# Altium PCB STM32F4_PCB.PcbDoc (continued)
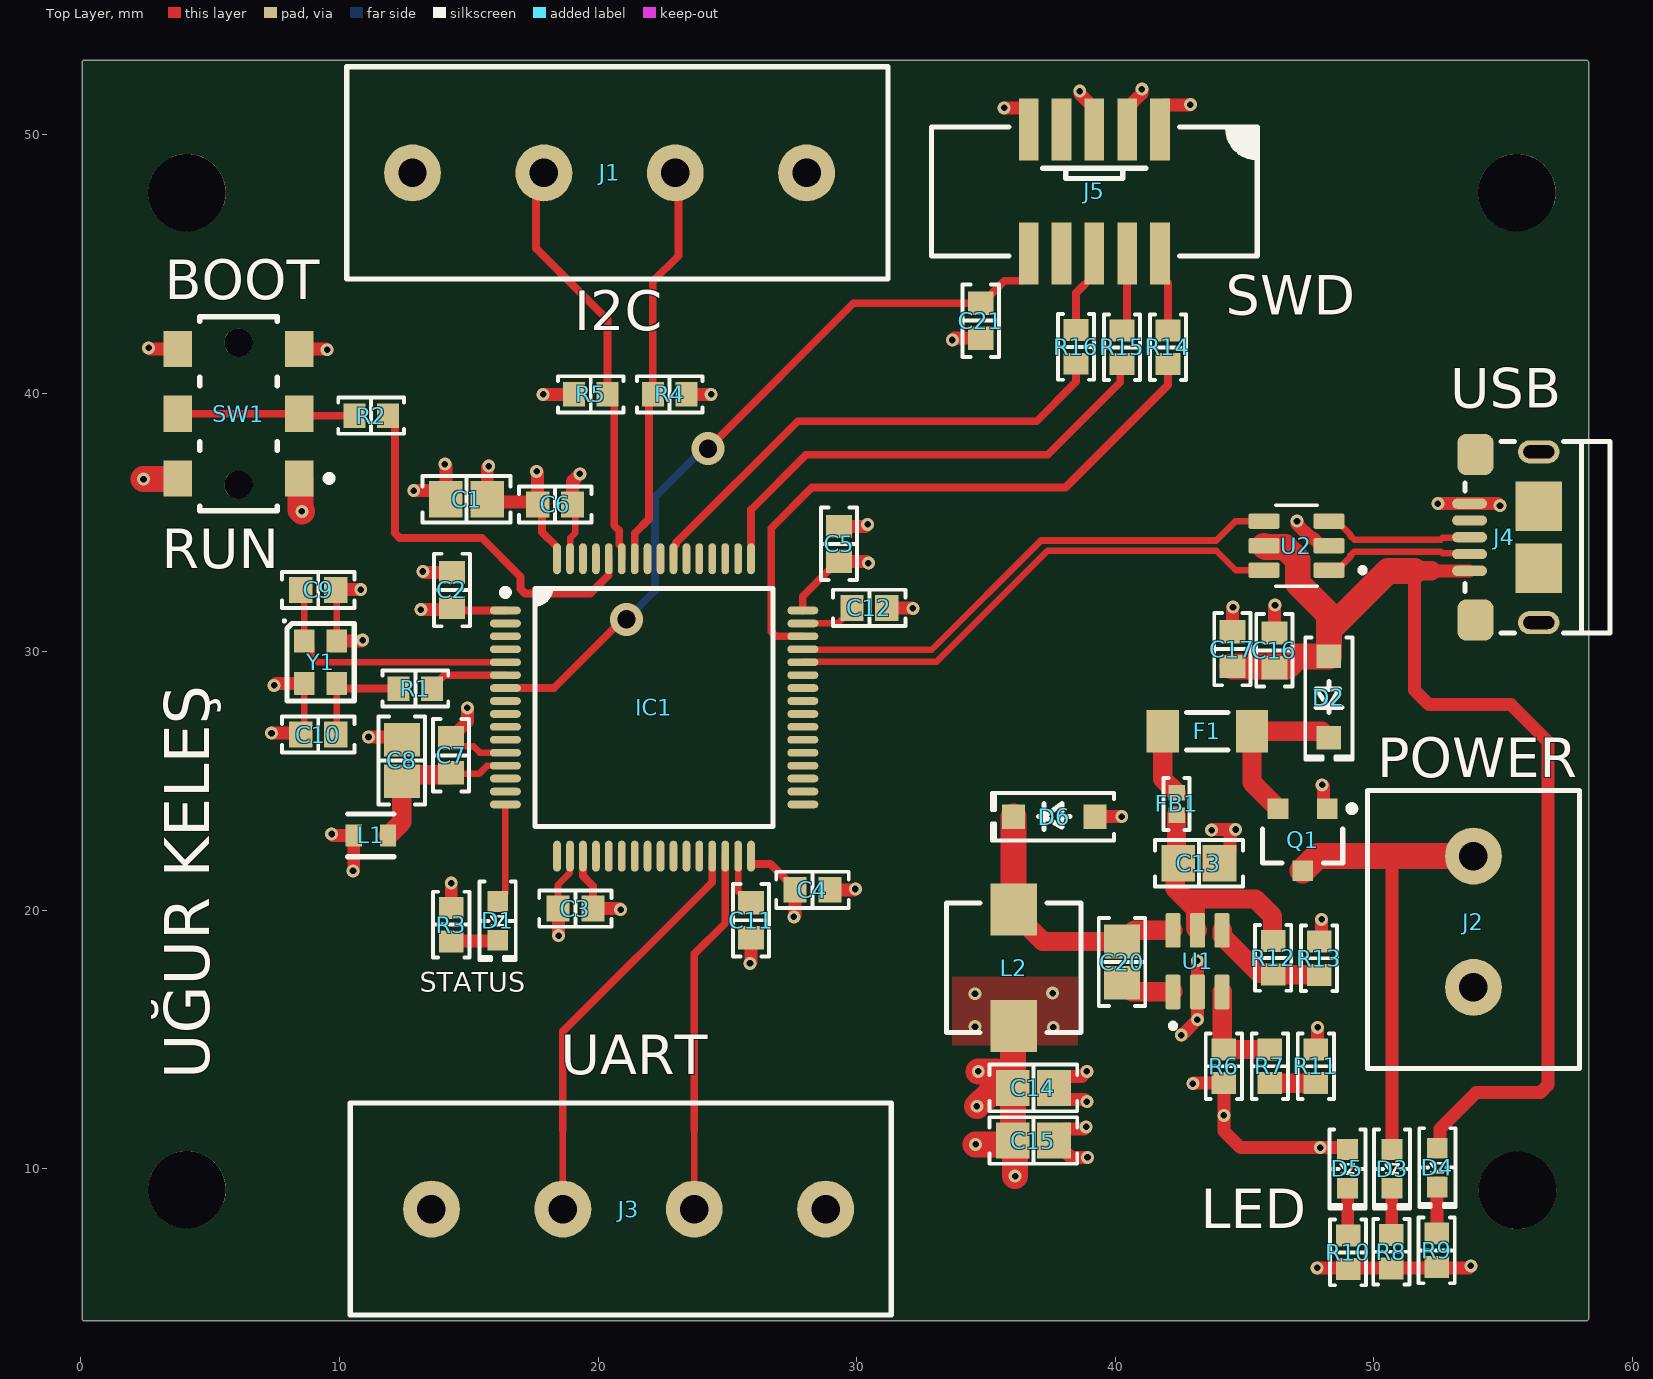
[diagram p0: Top Layer view]
## Components (designator, comment, footprint, x,y, rotation, side; value= is the part's Value field where it differs from the comment)
C1 "4u7" "CAP 0805_2012" 14.917,35.893 r0 top
C2 "100n" "CAP 0603_1608" 14.351,32.385 r270 top
C3 "100n" "CAP 0603_1608" 19.126,20.066 r0 top
C4 "100n" "CAP 0603_1608" 28.292,20.793 r180 top
C5 "100n" "CAP 0603_1608" 29.317,34.168 r270 top
C6 "100n" "CAP 0603_1608" 18.342,35.693 r180 top
C7 "100n" "CAP 0603_1608" 14.317,25.993 r270 top
C8 "1u" "CAP 0805_2012" 12.417,25.793 r270 top
C9 "12p" "CAP 0603_1608" 9.184,32.385 r0 top
C10 "12p" "CAP 0603_1608" 9.184,26.797 r180 top
C11 "2u2" "CAP 0603_1608" 25.917,19.618 r270 top
C12 "2u2" "CAP 0603_1608" 30.492,31.693 r0 top
C13 "10u" "CAP 0805_2012" 43.231,21.819 r180 top
C14 "10u" "CAP 0805_2012" 36.83,13.132 r180 top
C15 "10u" "CAP 0805_2012" 36.83,11.1 r180 top
C16 "4u7" "CAP 0603_1608" 46.15,30.05 r90 top
C17 "100n" "CAP 0603_1608" 44.525,30.1 r90 top
C20 "10n" "CAP 0805_2012" 40.259,17.996 r270 top
C21 "100n" "CAP 0603_1608" 34.798,42.799 r270 top
D1 "Red" "LED 0603_1608 RED" 16.117,19.593 r270 top
D2 "B5819W-TP" SOD-123 48.26,28.245 r270 top
D3 "Red" "LED 0603_1608 RED" 50.7,10 r270 top
D4 "Red" "LED 0603_1608 RED" 52.45,10.05 r270 top
D5 "Red" "LED 0603_1608 RED" 48.975,10 r270 top
D6 "B5819W-TP" SOD-123 37.643,23.622 r180 top
F1 "250mA" "FUSE 1206_3216 0.6MM" 43.561,26.924 r180 top
FB1 "600 @ 600MHz" "FER 0402_1005" 42.367,24.113 r270 top value="600 Ohms @ 100MHz"
IC1 "STM32F405RGT6" "ST LQFP-64 10X10MM" 22.167,27.843 r0 top
J1 "282837-4" "TE 282837-4" 20.447,48.514 r0 top
J2 "282837-2" "TE 282837-2" 53.848,19.558 r270 top
J3 "282837-4" "TE 282837-4" 21.18,8.45 r180 top
J4 "10118193-0001LF" "FCI USB 10118193-0001LF" 56.325,34.425 r270 top
J5 "3221-10-0300-00" "CNC TECH 3221-10-0300-00" 39.187,47.793 r270 top
L1 "39n" FP-LQW18AN_00-MFG 11.217,22.893 r0 top
L2 "10u" "BOURNS SRP5030T" 36.068,17.78 r270 top value="10 µH"
Q1 "AO3401A" AO-SOT-23-3L_V 47.244,22.733 r270 top
R1 "47R" "RES 0603_1608" 12.939,28.575 r0 top
R2 "10K" "RES 0603_1608" 11.225,39.125 r0 top
R3 "1K" "RES 0603_1608" 14.326,19.446 r270 top
R4 "2K2" "RES 0603_1608" 22.77,39.952 r0 top
R5 "2K2" "RES 0603_1608" 19.72,39.952 r180 top
R6 "47K" "RES 0603_1608" 44.196,13.97 r270 top
R7 "15K" "RES 0603_1608" 45.974,13.97 r90 top
R8 "10K" "RES 0603_1608" 50.675,6.8 r90 top
R9 "10K" "RES 0603_1608" 52.425,6.85 r90 top
R10 "1K" "RES 0603_1608" 49,6.775 r90 top
R11 "270" "RES 0603_1608" 47.752,13.97 r270 top
R12 "100K" "RES 0603_1608" 46.101,18.161 r90 top
R13 "68K" "RES 0603_1608" 47.879,18.146 r270 top
R14 "22R" "RES 0603_1608" 42.037,41.768 r90 top
R15 "22R" "RES 0603_1608" 40.259,41.768 r90 top
R16 "22R" "RES 0603_1608" 38.481,41.783 r90 top
SW1 "ESE-24MV1" FP-ESE-24MV1-MFG 6.1,39.2 r90 top
U1 "MP2359DJ-LF-Z" SOT95P280X100-6N 43.18,18.034 r90 top
U2 "USBLC6-2SC6" SOT95P280X145-6N 47.005,34.097 r180 top
Y1 "16MHz" "ABRACON ABM10" 9.271,29.591 r270 top

## Footprints (in the part's own frame and the unit in brackets; to place one, negate y for a bottom-side part, rotate by r counter-clockwise, add the part's x,y. Pads: shape width x height; smd on the part's side, far side on the other; paste and mask are expansions set on the pad)
"ABRACON ABM10" [mm] "Crystal, 4-Leads, Body 2.00x2.45mm, Pitch 1.65mm, IPC Medium Density"
  rect 0.9x0.8 smd: 1(-0.825,-0.625) 2(0.825,-0.625) 3(0.825,0.625) 4(-0.825,0.625)
  silkscreen extent -1.65,-1.45 1.5,1.3, body extent -1.27,-1.02 1.28,1.03, height 0.5
AO-SOT-23-3L_V [mm] "SOT23, 3-Leads, Body 3.1x1.8mm, Pitch 0.95mm"
  rect 0.8x0.8 smd: 1(-1.2,0.95) 2(-1.2,-0.95) 3(1.2,0)
  silkscreen extent -1.32,-1.55 0.9,2.03, body extent -1.5,-1.55 1.5,1.55, height 1.25
"BOURNS SRP5030T" [mm] "Precision Wire Wound Inductor, 2-Leads, Body 5.70x5.20mm, IPC Medium Density"
  rect 2x1.8 smd: 1(-2.25,0) 2(2.25,0)
  silkscreen extent -2.5,-2.6 2.5,2.6, body extent -2.85,-2.6 2.85,2.6, height 3
"CAP 0603_1608" [mm] "Chip Capacitor, 2-Leads, Body 1.60x0.80mm, IPC Medium Density"
  rect 0.9x1 smd: 1(-0.675,0) 2(0.675,0)
  silkscreen extent -1.4,-0.7 1.4,0.7, body extent -0.8,-0.41 0.8,0.41, height 0.82
"CAP 0805_2012" [mm] "Chip Capacitor, 2-Leads, Body 2.00x1.20mm, IPC Medium Density"
  rect 1.3x1.4 smd: 1(-0.8,0) 2(0.8,0)
  silkscreen extent -1.7,-0.9 1.7,0.9, body extent -1,-0.64 1,0.64, height 1.26
"CNC TECH 3221-10-0300-00" [mm]
  rect 2.4x0.76 smd: 1(-2.4,2.54) 2(-2.4,1.27) 3(-2.4,0) 4(-2.4,-1.27) 5(-2.4,-2.54) 6(2.4,-2.54) 7(2.4,-1.27) 8(2.4,0) 9(2.4,1.27) 10(2.4,2.54)
  silkscreen extent -2.5,-6.3 2.5,6.3, body extent -2.75,-6.32 2.75,6.33, height 5.6
"FCI USB 10118193-0001LF" [mm] "USB 2.0 Type B Micro"
  oval 0.4x1.35 smd: 1(1.3,-2.625) 2(0.65,-2.625) 3(0,-2.625) 4(-0.65,-2.625) 5(-1.3,-2.625)
  oval 0.9x1.6 hole 0.5 slot 1.2 at 90 deg: S(-3.3,0.05) S(3.3,0.05)
  rrect50% 1.6x1.4 smd: S(-3.2,-2.4) S(3.2,-2.4)
  rect 1.9x1.8 smd: S(-1.2,0.05) S(1.2,0.05)
  silkscreen extent -3.7,-2.8 3.7,2.8, body extent -3.93,-2.9 3.93,2.76, height 2.78
"FER 0402_1005" [mm] "Chip Ferrite, 2-Leads, Body 1.02x0.51mm, IPC Medium Density"
  rect 0.6x0.64 smd: 1(-0.44,0) 2(0.44,0)
  silkscreen extent -1,-0.5 1,0.5, body extent -0.5,-0.26 0.5,0.26, height 0.52
FP-ESE-24MV1-MFG [mm]
  rect 1.4x1.1 smd paste+0 mask+0: 1(-2.5,-2.35) 1(-2.5,2.35) 2(2.5,-2.35) 2(2.5,2.35) C(0,2.35) C(0,-2.35)
  round 1.1 hole 1.1 unplated paste-2539.97 mask+0: ""(-2.75,0) ""(2.75,0)
  silkscreen extent -3.75,-3.63 3.75,1.5, body extent -3.85,-3 3.85,3, height 0.25
FP-LQW18AN_00-MFG [mm]
  rect 0.625x0.85 smd paste+0 mask+0: 1(-0.663,0) 2(0.663,0)
  silkscreen extent -0.9,-0.82 0.9,0.82, body extent -1.07,-0.6 1.07,0.6, height 0.25
"FUSE 1206_3216 0.6MM" [mm] "Chip Fuse 1.5A AC 63V DC, 2-Leads, Body 3.10x1.55mm, IPC Medium Densitym"
  rect 1.25x1.65 smd: 1(-1.725,0) 2(1.725,0)
  silkscreen extent -0.8,-0.72 0.8,0.72, body extent -1.55,-0.77 1.55,0.78, height 0.76
"LED 0603_1608 RED" [mm] "Chip Diode, 2-Leads, Body 1.60x0.80mm, IPC Medium Density"
  rect 0.8x0.8 smd: 1(-0.75,0) 2(0.75,0)
  silkscreen extent -1.52,-0.7 1.52,0.7, body extent -0.8,-0.4 0.8,0.4, height 0.53
"RES 0603_1608" [mm] "Chip Resistor, 2-Leads, Body 1.60x0.80mm, IPC Medium Density"
  rect 0.85x0.95 smd: 1(-0.65,0) 2(0.65,0)
  silkscreen extent -1.27,-0.7 1.27,0.7, body extent -0.8,-0.4 0.8,0.4, height 0.45
SOD-123 [mm] "SOD, 2-Leads, Body 1.55x3.70mm, IPC Medium Density"
  rect 0.9x0.95 smd: 1(-1.575,0) 2(1.575,0)
  silkscreen extent -2.3,-0.92 2.41,0.92, body extent -1.86,-0.78 1.86,0.77, height 1.35
SOT95P280X100-6N [mm]
  rrect25% 1.34x0.59 smd: 1(-1.19,0.95) 2(-1.19,0) 3(-1.19,-0.95) 4(1.19,-0.95) 5(1.19,0) 6(1.19,0.95)
  silkscreen extent -2.6,0.85 -2.4,1.05, body extent -1.4,-1.45 1.4,1.45, height 1
SOT95P280X145-6N [mm]
  rrect25% 1.21x0.59 smd: 1(-1.255,0.95) 2(-1.255,0) 3(-1.255,-0.95) 4(1.255,-0.95) 5(1.255,0) 6(1.255,0.95)
  silkscreen extent -2.66,-1.57 0.81,1.57, body extent -1.4,-1.46 1.4,1.46, height 0.4
"ST LQFP-64 10X10MM" [mm] "LQFP, 64-Leads, Body 10.00x10.00mm, Pitch 0.50mm, IPC Medium Density"
  oval 1.2x0.3 smd: 1(-5.75,3.75) 2(-5.75,3.25) 3(-5.75,2.75) 4(-5.75,2.25) 5(-5.75,1.75) 6(-5.75,1.25) 7(-5.75,0.75) 8(-5.75,0.25) 9(-5.75,-0.25) 10(-5.75,-0.75) 11(-5.75,-1.25) 12(-5.75,-1.75) 13(-5.75,-2.25) 14(-5.75,-2.75) 15(-5.75,-3.25) 16(-5.75,-3.75) 33(5.75,-3.75) 34(5.75,-3.25) 35(5.75,-2.75) 36(5.75,-2.25) 37(5.75,-1.75) 38(5.75,-1.25) 39(5.75,-0.75) 40(5.75,-0.25) 41(5.75,0.25) 42(5.75,0.75) 43(5.75,1.25) 44(5.75,1.75) 45(5.75,2.25) 46(5.75,2.75) 47(5.75,3.25) 48(5.75,3.75)
  oval 0.3x1.2 smd: 17(-3.75,-5.75) 18(-3.25,-5.75) 19(-2.75,-5.75) 20(-2.25,-5.75) 21(-1.75,-5.75) 22(-1.25,-5.75) 23(-0.75,-5.75) 24(-0.25,-5.75) 25(0.25,-5.75) 26(0.75,-5.75) 27(1.25,-5.75) 28(1.75,-5.75) 29(2.25,-5.75) 30(2.75,-5.75) 31(3.25,-5.75) 32(3.75,-5.75) 49(3.75,5.75) 50(3.25,5.75) 51(2.75,5.75) 52(2.25,5.75) 53(1.75,5.75) 54(1.25,5.75) 55(0.75,5.75) 56(0.25,5.75) 57(-0.25,5.75) 58(-0.75,5.75) 59(-1.25,5.75) 60(-1.75,5.75) 61(-2.25,5.75) 62(-2.75,5.75) 63(-3.25,5.75) 64(-3.75,5.75)
  silkscreen extent -5.87,-4.6 4.6,4.6, body extent -6.01,-6.01 6.01,6.01, height 1.6
"TE 282837-2" [mm] "Wire to Board Terminal Block Horizontal with Board, 2 Postions, Body 10.76x8.2 mm, Pitch 5.08mm"
  round 2.2 hole 1.1: 1(-2.54,0) 2(2.54,0)
  silkscreen extent -5.08,-4.1 5.68,4.1, body extent -5.08,-4.1 5.68,4.1, height 10.3
"TE 282837-4" [mm] "Wire to Board Terminal Block Horizontal with Board, 4 Postions, Body 20.92x8.2mm, Pitch 5.08mm"
  round 2.2 hole 1.1: 1(-7.62,0) 2(-2.54,0) 3(2.54,0) 4(7.62,0)
  silkscreen extent -10.16,-4.1 10.76,4.1, body extent -10.16,-4.1 10.76,4.1, height 10.3

## Part data
C1 C8 C13 C14 C15 C20: library part C0805C222K4RAC7800, "CAP CER 2200PF 16V X7R 0805", Capacitance="2200 pF", Device Package="0805 (2012 Metric)", Manufacturer=KEMET, Operating Temperature="-55°C ~ 125°C", Supplier Part Number 1=399-C0805C222K4RAC7800CT-ND, Temperature Coefficient=X7R, Tolerance=±10%, Voltage - Rated=16V, Applications="Bypass, Decoupling", ComponentLink1Description=Datasheet, ComponentLink1URL=https://api.kemet.com/component-edge/download/datasheet/C0805C222K4RACTU.pdf, ComponentLink2Description="DigiKey Link", ComponentLink2URL=https://www.digikey.com/en/products/detail/kemet/C0805C222K4RAC7800/2212264, LastUpdated="2/9/2024 8:15:14 PM", Lifecycle Status=Active, Minimum Order=1, Mounting Type="Surface Mount, MLCC", Package / Case="0805 (2012 Metric)", Packaging=TapeAndReel, Part Number=C0805C222K4RAC7800, Part Status=Active, PartId=40064, Price=0.04, Series="SMD Comm X7R", Size / Dimension="0.079\" L x 0.049\" W (2.00mm x 1.25mm)", Supplier 1=DigiKey, Thickness (Max)="0.035\" (0.88mm)"
C2 C3 C4 C5 C6 C7 C9 C10 C11 C12 C16 C17 C21: library part C0603C104J4RAC7013, "CAP CER SMD 0603 .1UF 5% X7R 16V", Capacitance="0.1 µF", Device Package="0603 (1608 Metric)", Manufacturer=KEMET, Operating Temperature="-55°C ~ 125°C", Supplier Part Number 1=399-17571-1-ND, Temperature Coefficient=X7R, Tolerance=±5%, Voltage - Rated=16V, Applications="Bypass, Decoupling", ComponentLink1Description=Datasheet, ComponentLink1URL=https://api.kemet.com/component-edge/download/datasheet/C0603C104J4RAC7013.pdf, ComponentLink2Description="DigiKey Link", ComponentLink2URL=https://www.digikey.com/en/products/detail/kemet/C0603C104J4RAC7013/8572406, LastUpdated="2/9/2024 8:10:13 PM", Lifecycle Status=Active, Minimum Order=1, Mounting Type="Surface Mount, MLCC", Package / Case="0603 (1608 Metric)", Packaging=TapeAndReel, Part Number=C0603C104J4RAC7013, Part Status=Active, PartId=40484, Price=0.02, Series="SMD Comm X7R", Size / Dimension="0.063\" L x 0.031\" W (1.60mm x 0.80mm)", Supplier 1=DigiKey, Thickness (Max)="0.037\" (0.95mm)"
D1 D3 D4 D5: library part APT1608SEC/J3-AMT, "LED RED 0603", Current - Test=20mA, Device Package="0603 (1608 Metric)", Lens Color=Colorless, Manufacturer=Kingbright, Millicandela Rating=900mcd, Supplier Device Package=0603, Supplier Part Number 1=754-APT1608SEC/J3-AMTCT-ND, Voltage - Forward (Vf) (Typ)=2.2V, Color=Red, ComponentLink1Description=Datasheet, ComponentLink1URL=https://www.kingbrightusa.com/images/catalog/SPEC/APT1608SEC-J3-AMT.pdf, ComponentLink2Description="DigiKey Link", ComponentLink2URL=https://www.digikey.com/en/products/detail/kingbright/APT1608SEC-J3-AMT/17969025, Height (Max)=0.85mm, LastUpdated="2/8/2024 9:32:15 PM", Lens Size="1.60mm x 0.80mm", Lens Style="Rectangle with Flat Top", Lens Transparency=Clear, Lifecycle Status=Active, Minimum Order=1, Mounting Type="Surface Mount", Package / Case="0603 (1608 Metric)", Packaging=TapeAndReel, Part Number=APT1608SEC/J3-AMT, Part Status=Active, PartId=1301, Price=0.23, Series="High Temp", Size / Dimension="1.60mm L x 0.85mm W", Supplier 1=DigiKey, Viewing Angle=120°, Wavelength - Dominant=623nm, Wavelength - Peak=640nm
D2 D6: "DIODE SCHOTTKY 40V 1A SOD123", Capacitance @ Vr, F="120pF @ 4V, 1MHz", Current - Average Rectified (Io)=1A, Current - Reverse Leakage @ Vr="1 mA @ 40 V", Manufacturer="Micro Commercial Co", Operating Temperature - Junction="-65°C ~ 125°C", Package / Case=SOD-123, Supplier Part Number 1=B5819W-TPMSCT-ND, Voltage - DC Reverse (Vr) (Max)="40 V", Voltage - Forward (Vf) (Max) @ If="600 mV @ 1 A", ComponentLink1Description=Datasheet, ComponentLink1URL=https://www.mccsemi.com/pdf/Products/B5817W-B5819W(SOD-123).pdf, ComponentLink2Description="DigiKey Link", ComponentLink2URL=https://www.digikey.com/en/products/detail/micro-commercial-co/B5819W-TP/3774959, Diode Type=Schottky, LastUpdated="2/8/2024 9:27:27 PM", Lifecycle Status=Active, Minimum Order=1, Mounting Type="Surface Mount", Packaging=TapeAndReel, Part Number=B5819W-TP, Part Status=Active, PartId=2331, Price=0.03, Series=-, Speed="Fast Recovery =< 500ns, > 200mA (Io)", Supplier 1=DigiKey, Supplier Device Package=SOD-123
F1: library part SF-1206FP050-2, "FUSE BOARD MNT 500MA 63VDC 1206", Breaking Capacity @ Rated Voltage=50A, Current Rating (Amps)=500mA, Device Package="1206 (3216 Metric)", Manufacturer="Bourns Inc.", Operating Temperature="-20°C ~ 105°C", Supplier Part Number 1=SF-1206FP050-2CT-ND, Voltage Rating - DC=63V, Approval Agency=UL, Approvals=UL, ComponentLink1Description=Datasheet, ComponentLink1URL=https://www.bourns.com/docs/product-datasheets/sf-1206fp.pdf, ComponentLink2Description="DigiKey Link", ComponentLink2URL=http://digikey.com/product-detail/en/bourns-inc/SF-1206FP050-2/SF-1206FP050-2CT-ND/7652265, Fuse Type="Board Mount (Cartridge Style Excluded)", LastUpdated="9/2/2020 1:30:42 AM", Lifecycle Status=Active, Melting I²t=0.015, Minimum Order=1, Mounting Type="Surface Mount", Package / Case="1206 (3216 Metric)", Packaging=TapeAndReel, Part Number=SF-1206FP050-2, Part Status=Active, Price=0.34, Response Time="Fast Blow", Series="SinglFuse™ SF-1206FP", Size / Dimension="0.122\" L x 0.061\" W x 0.024\" H (3.10mm x 1.55mm x 0.60mm)", Supplier 1=DigiKey
FB1: library part Z0402C601ESMST, "FERRITE BEAD 600 OHM 0402 1LN", Current Rating (Max)=300mA, DC Resistance (DCR) (Max)=600mOhm, Device Package="0402 (1005 Metric)", Impedance @ Frequency="600 Ohms @ 100MHz", Manufacturer=KEMET, Operating Temperature="-55°C ~ 125°C", Supplier Part Number 1=399-9606-1-ND, ComponentLink1Description=Datasheet, ComponentLink1URL=https://content.kemet.com/datasheets/F3115.pdf, ComponentLink2Description="DigiKey Link", ComponentLink2URL=http://digikey.com/product-detail/en/kemet/Z0402C601ESMST/399-9606-1-ND/3674215, Filter Type="Signal Line", Height (Max)="0.022\" (0.55mm)", LastUpdated="2/8/2024 9:23:50 PM", Lifecycle Status=Active, Minimum Order=1, Mounting Type="Surface Mount", Number of Lines=1, Package / Case="0402 (1005 Metric)", Packaging=TapeAndReel, Part Number=Z0402C601ESMST, Part Status=Active, PartId=516, Price=0.03, Series=Z-SMS, Size / Dimension="0.039\" L x 0.020\" W (1.00mm x 0.50mm)", Supplier 1=DigiKey
IC1: "IC MCU 32BIT 1MB FLASH 64LQFP", Device Package=64-LQFP, Manufacturer=STMicroelectronics, Operating Temperature="-40°C ~ 85°C (TA)", Supplier Device Package="64-LQFP (10x10)", Supplier Part Number 1=497-11767-ND, Voltage - Supply (Vcc/Vdd)="1.8V ~ 3.6V", ComponentLink1Description=Datasheet, ComponentLink1URL=http://www.st.com/content/ccc/resource/technical/document/datasheet/ef/92/76/6d/bb/c2/4f/f7/DM00037051.pdf/files/DM00037051.pdf/jcr:content/translations/en.DM00037051.pdf, ComponentLink2Description="DigiKey Link", ComponentLink2URL=//digikey.com/product-detail/en/stmicroelectronics/STM32F405RGT6/497-11767-ND/2754208, Connectivity="CANbus, I²C, IrDA, LINbus, SPI, UART/USART, USB OTG", Core Processor="ARM® Cortex®-M4", Core Size=32-Bit, Data Converters="A/D 16x12b; D/A 2x12b", LastUpdated="12/5/2019 11:44:20 PM", Lifecycle Status=0, Minimum Order=1, Mounting Type="Surface Mount", Number of I/O=51, Oscillator Type=Internal, Package / Case=64-LQFP, Packaging=Tray, Part Number=STM32F405RGT6, Part Status=Active, PartId=115, Peripherals="Brown-out Detect/Reset, DMA, I²S, LCD, POR, PWM, WDT", Price=10.30, Program Memory Size="1MB (1M x 8)", Program Memory Type=FLASH, RAM Size="192K x 8", Series=STM32F4, Speed=168MHz, Supplier 1=DigiKey
J1 J3: "TERM BLK 4P SIDE ENT 5.08MM PCB", Color=Green, Current="13.5 A", Manufacturer="TE Connectivity AMP Connectors", Supplier Part Number 1=A124423-ND, Voltage="300 V", ComponentLink1Description=Datasheet, ComponentLink1URL=https://www.te.com/commerce/DocumentDelivery/DDEController?Action=srchrtrv&DocNm=282837&DocType=Customer+Drawing&DocLang=English, ComponentLink2Description="DigiKey Link", ComponentLink2URL=https://www.digikey.com/en/products/detail/te-connectivity-amp-connectors/282837-4/2187975, Features="Interlocking (Side)", LastUpdated="6/21/2022 3:00:53 PM", Lifecycle Status=Active, Mating Orientation="Horizontal with Board", Minimum Order=1, Mounting Type="Through Hole", Number of Levels=1, Packaging=Tray, Part Number=282837-4, Part Status=Active, Pitch="0.200\" (5.08mm)", Positions Per Level=4, Price=0.62, Series=Buchanan, Supplier 1=DigiKey, Wire Gauge="16-28 AWG", Wire Termination="Screw - Rising Cage Clamp"
J2: "TERM BLK 2P SIDE ENT 5.08MM PCB", Color=Green, Current="13.5 A", Manufacturer="TE Connectivity AMP Connectors", Supplier Part Number 1=A113320-ND, Voltage="300 V", ComponentLink1Description=Datasheet, ComponentLink1URL=https://www.te.com/commerce/DocumentDelivery/DDEController?Action=srchrtrv&DocNm=282837&DocType=Customer+Drawing&DocLang=English, ComponentLink2Description="DigiKey Link", ComponentLink2URL=https://www.digikey.com/en/products/detail/te-connectivity-amp-connectors/282837-2/2187973, Features="Interlocking (Side)", LastUpdated="6/21/2022 3:00:23 PM", Lifecycle Status=Active, Mating Orientation="Horizontal with Board", Minimum Order=1, Mounting Type="Through Hole", Number of Levels=1, Packaging=Tray, Part Number=282837-2, Part Status=Active, Pitch="0.200\" (5.08mm)", Positions Per Level=2, Price=0.31, Series=Buchanan, Supplier 1=DigiKey, Wire Gauge="16-28 AWG", Wire Termination="Screw - Rising Cage Clamp"
J4: "CONN RCPT USB2.0 MICRO B SMD R/A", Current Rating (Amps)="1.8A per Contact", Manufacturer="Amphenol ICC (FCI)", Operating Temperature="-30°C ~ 80°C", Supplier Part Number 1=609-4616-2-ND, Voltage - Rated=100VAC, ComponentLink1Description=Datasheet, ComponentLink1URL=https://cdn.amphenol-icc.com/media/wysiwyg/files/documentation/datasheet/inputoutput/io_usb_micro.pdf, ComponentLink2Description="DigiKey Link", ComponentLink2URL=//digikey.com/product-detail/en/amphenol-icc-fci/10118193-0001LF/609-4616-2-ND/2785388, Connector Type="USB - micro B", Features="Solder Retention", Gender=Receptacle, LastUpdated="12/9/2019 8:51:28 PM", Lifecycle Status=0, Mating Cycles=10000, Minimum Order=1, Mounting Feature=Horizontal, Mounting Type="Surface Mount, Right Angle; Through Hole", Number of Contacts=5, Number of Ports=1, Packaging=TapeAndReel, Part Number=10118193-0001LF, Part Status=Active, Price=0.21, Series=-, Shielding=Shielded, Specifications="USB 2.0", Supplier 1=DigiKey, Termination=Solder
J5: "CONN HEADER SMD 10POS 1.27MM", Current Rating (Amps)=1A, Manufacturer="CNC Tech", Material Flammability Rating="UL94 V-0", Operating Temperature="-40°C ~ 105°C", Supplier Part Number 1=1175-1735-ND, ComponentLink1Description=Datasheet, ComponentLink1URL=http://cnctech.us/idcmatching2.pdf, ComponentLink2Description="DigiKey Link", ComponentLink2URL=http://digikey.com/product-detail/en/cnc-tech/3221-10-0300-00/1175-1735-ND/4878946, Connector Type=Header, Contact Finish - Mating=Gold, Contact Finish - Post=Gold, Contact Finish Thickness - Mating=Flash, Contact Material=Brass, Contact Shape=Square, Contact Type="Male Pin", Fastening Type=Push-Pull, Features="Keying Slot", Insulation Height="0.213\" (5.40mm)", Insulation Material="Polyamide (PA6T), Nylon 6T", LastUpdated="1/13/2020 12:09:21 AM", Lifecycle Status=Active, Minimum Order=1, Mounting Type="Surface Mount", Number of Positions=10, Number of Positions Loaded=All, Number of Rows=2, Packaging=Tray, Part Number=3221-10-0300-00, Part Status=Active, PartId=109, Pitch - Mating="0.050\" (1.27mm)", Price=0.73, Row Spacing - Mating="0.050\" (1.27mm)", Series=-, Shrouding="Shrouded - 4 Wall", Style="Board to Cable/Wire", Supplier 1=DigiKey, Termination=Solder
L1: library part CMP-06042-008736-1, "Wire Wound RF Inductor 39nH ±2% 400mA 0.26Ω 0603 (1608)", Case Code (Imperial)=0603, Case Code (Metric)=1608, Current=370mA, Current Rating=400mA, DC Resistance (DCR)=260mR, Inductance=39nH, Max Operating Temperature=125°C, Min Operating Temperature=-55°C, Package Quantity=4000, Resistor Type=Wirewound, Self Resonant Frequency=2.8GHz, Test Frequency=100MHz, Tolerance=2%, Case/Package=0603, Core Material=Non-Magnetic, DC Current=400mA, Depth=1mm, Height=0.8mm, Height - Seated (Max)=0.039inch, Lead Free="Lead Free", Length=1.6mm, Max DC Current=400mA, Military Standard=Not, Mount="Surface Mount", Packaging="Tape and Reel", Q Factor=40, Radiation Hardening=No, Series Resistance=260mR, Shielding=Unshielded, Termination=SMD/SMT, Weight=0.000106oz, Width=0.031inch
L2: library part SRP5030T-100M, "FIXED IND 10UH 2.75A 128MOHM SMD", Current - Saturation=3.5A, Current Rating (Amps)="2.75 A", DC Resistance (DCR)="128mOhm Max", Device Package=Nonstandard, Inductance="10 µH", Inductance Frequency - Test="100 kHz", Manufacturer="Bourns Inc.", Operating Temperature="-40°C ~ 125°C", Supplier Part Number 1=SRP5030T-100MCT-ND, Tolerance=±20%, ComponentLink1Description=Datasheet, ComponentLink1URL=https://www.bourns.com/docs/Product-Datasheets/SRP5030T.pdf, ComponentLink2Description="DigiKey Link", ComponentLink2URL=https://www.digikey.com/en/products/detail/bourns-inc/SRP5030T-100M/3986087, Height - Seated (Max)="0.118\" (3.00mm)", LastUpdated="2/8/2024 9:34:53 PM", Lifecycle Status=Active, Material - Core="Iron Powder", Minimum Order=1, Mounting Type="Surface Mount", Package / Case=Nonstandard, Packaging=TapeAndReel, Part Number=SRP5030T-100M, Part Status=Active, PartId=9, Price=0.59, Series=SRP5030T, Shielding=Shielded, Size / Dimension="0.224\" L x 0.205\" W (5.70mm x 5.20mm)", Supplier 1=DigiKey, Type="Drum Core, Wirewound"
Q1: library part CMP-2000-05778-1, "P-Channel MOSFET, 30 V, 4 A, -55 to 150 degC, 3-Pin SOT-23-3L, RoHS, Tape and Reel", Continuous Drain Current=4A, Drain-Source On-Volt=30V, Frequency (Max)=NotRequiredMHz, Gate-Source Voltage (Max)=?12V, Manufacturer="Alpha and Omega", Operating Temp Range=-55Cto150C, Operating Temperature Classification=Military, Output Power (Max)=NotRequiredW, Package Description="3-Pin Small Outline Transistor, Body 2.95 x 1.6 mm, Pitch 0.95 mm", Package Reference=SOT-23-3L, Package Type=SOT-23, Power Dissipation=1.4W, Power Gain=NotRequireddB, Channel Mode=Enhancement, Datasheet URL=http://www.aosmd.com/res/data_sheets/AO3401A.pdf, Datasheet Version="Rev. 3, 03/2011", Drain Current (Max)=4A, Drain Efficiency=NotRequired%, Drain-Source On-Res=0.044ohm, Manufacturer URL=http://www.aosmd.com/, Mounting=SurfaceMount, Mounting Technology=SurfaceMount, Noise Figure=NotRequireddB, Number of  Elements=1, Package URL=http://www.aosmd.com/res/packaging_information/SOT-23-3L.pdf, Pin Count=3, Polarity=P, Rad Hardened=No, Type=PowerMOSFET
R1 R2 R3 R4 R5 R6 R7 R8 R9 R10 R11 R12 R13 R14 R15 R16: library part AC0603FR-0747RL, "RES SMD 47 OHM 1% 1/10W 0603", Device Package="0603 (1608 Metric)", Manufacturer=Yageo, Operating Temperature="-55°C ~ 155°C", Power (Watts)="0.1W, 1/10W", Ratings=AEC-Q200, Resistance="47 Ohms", Supplier Device Package=0603, Supplier Part Number 1=311-47LDCT-ND, Temperature Coefficient=±100ppm/°C, Tolerance=±1%, ComponentLink1Description=Datasheet, ComponentLink1URL=https://www.yageo.com/upload/media/product/productsearch/datasheet/rchip/PYu-AC_51_RoHS_L_7.pdf, ComponentLink2Description="DigiKey Link", ComponentLink2URL=https://www.digikey.com/en/products/detail/yageo/AC0603FR-0747RL/2827825, Composition="Thick Film", Features="Automotive AEC-Q200, Moisture Resistant", Height - Seated (Max)="0.022\" (0.55mm)", LastUpdated="2/9/2024 8:42:47 PM", Lifecycle Status=Active, Minimum Order=1, Number of Terminations=2, Package / Case="0603 (1608 Metric)", Packaging=CutTape, Part Number=AC0603FR-0747RL, Part Status=Active, PartId=17426, Price=0.01, Series=AC, Size / Dimension="0.063\" L x 0.031\" W (1.60mm x 0.80mm)", Supplier 1=DigiKey
SW1: library part CMP-05617-000023-1, "SWITCH DETECTOR SPDT 10MA 5V", Case/Package=SMD/SMT, Contact Resistance=500mR, Current Rating=10mA, Max Operating Temperature=70°C, Max Voltage Rating (DC)=5V, Min Operating Temperature=-10°C, Operating Force=0.35N, Operating Position=0.317inch, Package Quantity=1000, Actuator Length=2.95mm, Actuator Type=Toggle, Body Depth=3mm, Body Height=5.6mm, Body Length=7.5mm, Electrical Life=50000Cycles, Height=5.6mm, Lead Free="Lead Free", Mechanical Life=50000Cycles, Mount="Surface Mount", Number of Pins=3, Number of Terminals/Pins=3, Orientation=Straight, Packaging=Bulk, REACH SVHC="No SVHC", RoHS Compliant=Yes, Series=ESE24, Switch Function=Mom-Off-Mom, Termination=SMD/SMT, Throw Configuration=SPDT, Voltage Rating (DC)=5V, Width=3mm
U1: "Buck Switching Regulator IC Positive Adjustable 0.81V 1 Output 1.2A SOT-23-6 Thin, TSOT-23-6", Package="TSOT-23-6 Monolithic Power Systems", Check_prices=https://www.snapeda.com/parts/MP2359DJ-LF-Z/Monolithic+Power+Systems+Inc./view-part/?ref=eda, MF="Monolithic Power", MP=MP2359DJ-LF-Z, SnapEDA_Link=https://www.snapeda.com/parts/MP2359DJ-LF-Z/Monolithic+Power+Systems+Inc./view-part/?ref=snap
U2: "17V Clamp 5A (8/20Âµs) Ipp Tvs Diode Surface Mount SOT-23-6", Package="SOT-23-6 STMicroelectronics", Availability="In Stock", Check_prices=https://www.snapeda.com/parts/USBLC6-2SC6/STMicroelectronics/view-part/?ref=eda, MF=STMicroelectronics, MP=USBLC6-2SC6, Price=None, Purchase-URL=https://pricing.snapeda.com/search/part/USBLC6-2SC6/?ref=eda, SnapEDA_Link=https://www.snapeda.com/parts/USBLC6-2SC6/STMicroelectronics/view-part/?ref=snap
Y1: library part ABM10-16.000MHZ-E20-T, "CRYSTAL 16.0000MHZ 10PF SMD", Device Package="4-SMD, No Lead", ESR (Equivalent Series Resistance)="150 Ohms", Frequency Stability=±20ppm, Load Capacitance=10pF, Manufacturer="Abracon LLC", Operating Mode=Fundamental, Operating Temperature="-20°C ~ 70°C", Supplier Part Number 1=535-9810-1-ND, ComponentLink1Description=Datasheet, ComponentLink1URL=https://abracon.com/Resonators/ABM10.pdf, ComponentLink2Description="DigiKey Link", ComponentLink2URL=http://digikey.com/product-detail/en/abracon-llc/ABM10-16.000MHZ-E20-T/535-9810-1-ND/2001433, Frequency=16MHz, Frequency Tolerance=±20ppm, Height - Seated (Max)="0.028\" (0.70mm)", LastUpdated="3/19/2020 10:27:46 PM", Lifecycle Status=Active, Minimum Order=1, Mounting Type="Surface Mount", Package / Case="4-SMD, No Lead", Packaging=TapeAndReel, Part Number=ABM10-16.000MHZ-E20-T, Part Status=Active, PartId=278, Price=0.96, Series=ABM10, Size / Dimension="0.098\" L x 0.079\" W (2.50mm x 2.00mm)", Supplier 1=DigiKey, Type="MHz Crystal"

## Free pads (board coordinates)
  round 3 hole 3: MH(55.55,9.175) MH1(55.525,47.75) MH2(4.1,47.75) MH3(4.1,9.2)

## Via types
v1: diameter 0.5, hole 0.254, Top Layer to Bottom Layer, 66 vias
v2: diameter 1.27, hole 0.711, Top Layer to Bottom Layer, 2 vias

## Nets (pads, with @x,y where several pads share a name; then routed paths per layer and width w, separated by ;. In a path a pad name is that pad's centre, name@x,y a point inside that pad or via, vN(x,y) a via of type N, cw(c..) or ccw(c..) an arc to the next point about the centre after c; other vN are vias at no path point)
3V3: C1.2 C2.2 C3.2 C4.2 C5.2 C6.2 C14.2 C15.2 D5.1 IC1.1 IC1.19 IC1.32 IC1.48 IC1.64 J1.1 J3.1 J5.1 L1.1 L2.2 R4.2 R5.2 R6.2 SW1.1 | length 48.7
  Top Layer w0.3: C2.2@14.266,31.625 C2.2 14.468,31.593 IC1.1 ; C6.2 17.831,35.529 17.831,34.629 18.417,34.043 IC1.64 ; IC1.19 19.417,21.325 19.801,20.94 C3.2 ; IC1.32 25.917,21.793 26.667,21.793 27.617,20.843 C4.2 ; IC1.48 27.917,32.143 29.267,33.493 C5.2
  Top Layer w0.5: v1(9.7,22.95) 9.757,22.893 L1.1 10.555,21.554 v1(10.525,21.525) ; v1(13.15,31.625) C2.2@14.266,31.625 ; v1(15.775,37.175) 15.717,37.117 C1.2 15.817,35.793 17.567,35.793 C6.2 17.667,36.933 v1(17.625,36.975) ; v1(17.875,39.95) 17.877,39.952 R5.2 ; C3.2 20.834,20.066 v1(20.875,20.025) ; R4.2 24.373,39.952 v1(24.375,39.95) ; v1(27.575,19.75) 27.617,19.792 C4.2 ; C5.2 30.382,33.493 v1(30.45,33.425) ; J5.1 41.727,51.013 41.857,51.143 42.893,51.143 v1(42.9,51.15) ; v1(43,13.3) 43.02,13.32 R6.2 44.196,11.468 44.839,10.825 D5.1@48.975,10.825
  Top Layer w1: v1(2.425,36.675) 3.725,36.675 SW1.1@3.75,36.7 ; SW1.1@8.45,36.7 8.5,36.65 8.5,35.475 v1(8.55,35.425) ; v1(34.6,10.95) 35.88,10.95 C15.2 ; v1(34.65,12.425) 35.157,12.932 35.88,12.932 36.03,13.082 C14.2 36.03,13.182 35.88,13.332 35.83,13.332 35.387,13.775 v1(34.7,13.775) ; L2.2 36.049,15.511 36.049,11.119 C15.2 ; v1(36.125,9.725) 36.125,11.005 C15.2
  other v1: 47.925,10.825 44.2,12.075 37.6,15.475 34.575,15.5 34.575,16.775 37.575,16.8
3V3A: C7.2 C8.2 IC1.13 L1.2 | length 6.6
  Top Layer w0.254: C7.2 14.362,25.273 15.392,25.273 15.704,25.584 16.408,25.584 IC1.13
  Top Layer w0.75: L1.2 11.892,22.893 12.417,23.418 C8.2 12.667,25.243 14.242,25.243 C7.2
+5: C16.1 C17.1 D2.1 D4.1 J4.1 U2.5 | length 45.6
  Top Layer w0.5: 51.565,33.125 51.565,28.51 52.125,27.95 55.3,27.95 56.725,26.525 56.725,13.243 56.432,12.95 53.95,12.95 52.555,11.555 52.555,10.905 D4.1 ; 52.225,33.125 J4.1
  Top Layer w0.75: 51.565,33.125 52.225,33.125
  Top Layer w1: C17.1 46.649,29.425 47.044,29.82 D2.1 48.26,30.835 ; U2.5 45.805,34.042 46.56,34.042 47.055,33.547 47.055,32.647 48.26,31.442 48.26,30.835 ; 51.565,33.125 50.55,33.125 48.26,30.835
+12: D3.1 J2.1 Q1.3 | length 18.1
  Top Layer w0.5: D3.1 50.7,21.948 ; 51.3,22.098 51.375,22.023
  Top Layer w1: Q1.3 47.809,22.098 51.3,22.098 J2.1
BOOT0: IC1.60 R2.2 | length 15
  Top Layer w0.3: R2.2@12.15,39.125 12.15,34.576 12.326,34.4 15.5,34.4 17,32.9 17,32.426 17.176,32.25 19.45,32.25 ; 19.451,32.249 19.699,32.249 20.417,32.967 IC1.60
BOOT0_SW: R2.1 SW1.C | length 6.9
  Top Layer w0.3: SW1.C@3.75,39.2 8.45,39.2 8.525,39.125 R2.1
BUCK_BST: C20.2 U1.1 | length 2.1
  Top Layer w0.75: C20.2 40.309,17.196 40.661,16.844 U1.1
BUCK_EN: R12.1 R13.2 U1.4 | length 4.6
  Top Layer w0.75: U1.4 44.13,19.009 45.578,17.561 46.051,17.561 R12.1 46.108,17.504 47.871,17.504 R13.2
BUCK_FB: R6.1 R7.2 U1.3 | length 4
  Top Layer w0.75: U1.3 44.13,14.67 44.18,14.62 R6.1 R7.2
BUCK_IN: C13.2 FB1.2 R12.2 U1.5 | length 9.5
  Top Layer w0.75: FB1.2 42.367,21.882 C13.2 42.316,21.704 42.316,20.828 42.708,20.436 ; U1.5 43.1,19.304 43.1,20.044 42.708,20.436 ; R12.2 46.079,18.833 46.079,19.78 45.422,20.436 42.708,20.436
BUCK_SW: C20.1 D6.2 L2.1 U1.6 | length 10.5
  Top Layer w0.75: L2.1 36.068,19.93 37.202,18.796 C20.1 40.309,18.796 40.737,19.224 U1.6
  Top Layer w1: L2.1 D6.2
GND: C1.1 C2.1 C3.1 C4.1 C5.1 C6.1 C7.1 C8.1 C9.2 C10.2 C11.2 C12.2 C13.1 C14.1 C15.1 C16.2 C17.2 C21.2 D6.1 IC1.12 IC1.18 IC1.63 J1.4 J2.2 J3.4 J4.5 J5.2 J5.3 J5.5 Q1.1 R3.1 R8.1 R9.1 R10.1 R11.1 R13.1 SW1.2 U1.2 U2.2 Y1.2 Y1.4 | length 65.7
  Top Layer w0.254: C10.2@8.456,26.85 C10.2 8.646,26.934 Y1.2 ; C9.2@9.874,32.4 C9.2 9.896,32.348 Y1.4 ; C7.1 14.64,26.345 15.184,26.345 15.436,26.093 IC1.12 ; C3.1@18.475,20.042 C3.1 18.451,20.991 18.908,21.448 18.908,22.084 IC1.18 ; IC1.63 18.926,33.602 18.926,34.394 19.126,34.595 19.126,35.584 C6.1
  Top Layer w0.5: v1(2.625,41.75) 2.675,41.7 SW1.2@3.75,41.7 ; v1(7.375,26.85) C10.2@8.456,26.85 ; v1(7.475,28.7) 7.541,28.766 Y1.2 ; SW1.2@8.45,41.7 9.5,41.7 v1(9.525,41.675) ; C9.2@9.874,32.4 v1(10.825,32.4) ; Y1.4 10.866,30.416 v1(10.9,30.45) ; v1(11.125,26.7) 12.31,26.7 C8.1 ; v1(12.875,36.225) 13.785,36.225 C1.1 14.117,37.208 v1(14.075,37.25) ; v1(13.225,33.1) 13.265,33.06 C2.1 ; C7.1 14.367,26.668 14.567,26.868 14.567,26.918 14.95,27.301 v1(14.95,27.825) ; R3.1 v1(14.325,21.05) ; v1(18.475,19.025) C3.1@18.475,20.042 ; C6.1 19.017,36.592 v1(19.3,36.875) ; v1(25.875,17.95) 25.917,17.992 C11.2 ; C4.1 29.918,20.793 v1(29.95,20.825) ; C5.1 30.343,34.843 v1(30.425,34.925) ; C12.2 32.157,31.693 v1(32.175,31.675) ; v1(33.7,42.05) 33.774,42.124 C21.2 ; v1(35.7,51.025) 36.517,51.025 36.647,50.895 J5.5 ; v1(38.625,51.675) 38.625,51.575 39.187,51.013 J5.3 ; v1(38.875,11.625) 38.8,11.55 38.03,11.55 37.63,11.15 C15.1 37.63,11.05 38.03,10.65 38.08,10.65 38.28,10.45 v1(38.925,10.45) ; v1(38.9,12.6) 38.818,12.682 38.03,12.682 37.63,13.082 C14.1 37.63,13.182 38.03,13.582 38.707,13.582 v1(38.9,13.775) ; D6.1 39.221,23.625 v1(40.25,23.625) ; J5.2 40.457,51.013 41.025,51.581 v1(41.025,51.75) ; v1(42.55,15.175) 42.575,15.175 v1(43.175,15.775) 43.175,16.839 U1.2 43.175,16.849 v1(43.175,18.05) ; v1(43.725,23.1) 43.75,23.125 v1(44.65,23.125) 44.431,22.906 44.431,22.219 C13.1 ; C17.2 44.525,31.7 v1(44.55,31.725) ; C16.2 46.15,31.775 v1(46.175,31.8) ; v1(47.025,35.05) 47.025,34.93 47.553,34.402 47.645,34.402 47.95,34.097 U2.2 ; R11.1 47.825,14.693 v1(47.825,15.475) ; v1(47.8,6.175) 53.675,6.175 v1(53.75,6.25) ; R13.1 47.975,18.892 v1(47.975,19.65) ; v1(48,24.85) 48.044,24.806 48.044,24.083 Q1.1 ; v1(52.475,35.725) 54.8,35.725 v1(54.875,35.65)
HSE_IN: C9.1 IC1.5 Y1.1 | length 10.3
  Top Layer w0.254: C9.1 8.646,32.248 Y1.1 8.919,30.143 8.919,29.841 9.167,29.593 IC1.5
HSE_OUT: IC1.6 R1.2 | length 3.1
  Top Layer w0.3: R1.2 13.589,28.625 14.057,29.093 IC1.6
HSE_OUT_C: C10.1 R1.1 Y1.3 | length 4.5
  Top Layer w0.254: C10.1 9.896,26.834 Y1.3
  Top Layer w0.3: Y1.3 10.087,28.575 R1.1
I2C1_SCL: IC1.58 J1.3 R4.1 | length 15.7
  Top Layer w0.3: IC1.58 21.417,34.574 21.971,35.128 21.971,39.802 R4.1 22.12,44.32 23.114,45.314 23.114,48.387 J1.3
I2C1_SDA: IC1.59 J1.2 R5.1 | length 16.4
  Top Layer w0.3: J1.2 17.602,48.209 17.602,45.593 20.37,42.825 R5.1 20.625,39.697 20.625,34.874 20.817,34.682 20.817,34.143 20.917,34.043 IC1.59
LED_STATUS: D1.1 IC1.16 | length 3.9
  Top Layer w0.254: D1.1 16.417,20.643 IC1.16
NetD1_2: D1.2 R3.2 | length 1.8
  Top Layer w0.5: R3.2 14.349,18.82 16.094,18.82 D1.2
NetD2_2: D2.2 F1.1 Q1.2 | length 6.5
  Top Layer w0.75: Q1.2 45.286,24.941 F1.1 47.981,26.924 48.235,26.67 D2.2
NetD3_2: D3.2 R8.2 | length 1.8
  Top Layer w0.5: R8.2 50.687,7.462 50.687,9.237 D3.2
NetD4_2: D4.2 R9.2 | length 1.8
  Top Layer w0.5: R9.2 52.437,7.512 52.437,9.287 D4.2
NetD5_2: D5.2 R10.2 | length 1.8
  Top Layer w0.5: D5.2 48.987,9.237 48.987,7.437 R10.2
NetF1_2: F1.2 FB1.1 | length 2.6
  Top Layer w0.75: F1.2 41.836,25.084 FB1.1
NetR7_1: R7.1 R11.2 | length 1.8
  Top Layer w0.75: R7.1 R11.2
RESET: C21.1 IC1.7 J5.6 | length 29.8
  Top Layer w0.3: IC1.7 18.293,28.593 20.95,31.25 v2(21.1,31.25) ; v2(24.25,37.85) 29.874,43.474 C21.1 34.848,43.474 35.717,44.343 36.417,44.343 36.647,44.573 J5.6
  Bottom Layer w0.3: v2(21.1,31.25) 22.2,32.35 22.2,35.975 24.075,37.85 v2(24.25,37.85)
SWCLK: IC1.49 R15.1 | length 18.9
  Top Layer w0.3: IC1.49 25.917,35.493 28.042,37.617 37.389,37.617 40.19,40.419 40.19,41.049 R15.1
SWCLK_CONN: J5.9 R15.2 | length 3.1
  Top Layer w0.3: R15.2 40.457,42.616 J5.9
SWDIO: IC1.46 R14.1 | length 23.7
  Top Layer w0.3: IC1.46 26.871,30.593 26.695,30.769 26.695,34.773 28.27,36.347 38.075,36.347 42.037,40.31 R14.1
SWDIO_CONN: J5.10 R14.2 | length 3.1
  Top Layer w0.3: J5.10 41.727,44.573 42.037,44.263 R14.2
SWO: IC1.55 R16.1 | length 19.4
  Top Layer w0.3: IC1.55 22.917,34.043 23.017,34.143 23.017,34.209 27.721,38.913 36.957,38.913 38.478,40.434 38.478,41.13 R16.1
SWO_CONN: J5.8 R16.2 | length 3.3
  Top Layer w0.3: R16.2 38.481,43.867 39.187,44.573 J5.8
USART3_RX: IC1.30 J3.2 | length 14.1
  Top Layer w0.254: J3.2 23.72,11.51
  Top Layer w0.3: 23.72,11.51 23.72,18.31 24.917,19.507 IC1.30
USART3_TX: IC1.29 J3.3 | length 16
  Top Layer w0.254: J3.3 18.64,11.51
  Top Layer w0.3: 18.64,11.51 18.64,15.313 24.417,21.09 IC1.29
USB_CONN_D_N: J4.2 U2.1 | length 5.8
  Top Layer w0.254: U2.1 48.57,33.147 49.092,33.669 49.092,33.72 49.241,33.868 52.584,33.868 52.65,33.803 53.672,33.803 J4.2
USB_CONN_D_P: J4.3 U2.3 | length 5.8
  Top Layer w0.254: U2.3 48.57,35.047 49.092,34.525 49.092,34.474 49.241,34.326 52.578,34.326 52.65,34.397 53.672,34.397 J4.3
USB_D_N: IC1.44 U2.6 | length 19.9
  Top Layer w0.254: IC1.44 27.926,29.602 28.408,29.602 28.421,29.614 33.089,29.614 37.375,33.9 43.9,33.9 44.653,33.147 U2.6
USB_D_P: IC1.45 U2.4 | length 19.9
  Top Layer w0.254: IC1.45 27.926,30.084 28.408,30.084 28.421,30.072 32.9,30.072 37.128,34.3 43.9,34.3 44.647,35.047 U2.4
VCAP1: C11.1 IC1.31 | length 2
  Top Layer w0.254: IC1.31 25.417,20.743 25.867,20.293 C11.1
VCAP2: C12.1 IC1.47 | length 2.2
  Top Layer w0.254: IC1.47 29.267,31.093 29.817,31.643 C12.1
pads on no net: IC1.2 IC1.3 IC1.4 IC1.8 IC1.9 IC1.10 IC1.11 IC1.14 IC1.15 IC1.17 IC1.20 IC1.21 IC1.22 IC1.23 IC1.24 IC1.25 IC1.26 IC1.27 IC1.28 IC1.33 IC1.34 IC1.35 IC1.36 IC1.37 IC1.38 IC1.39 IC1.40 IC1.41 IC1.42 IC1.43 IC1.50 IC1.51 IC1.52 IC1.53 IC1.54 IC1.56 IC1.57 IC1.61 IC1.62 J4.4 J4.S J5.4 J5.7 SW1.

## Polygon pours and split planes (outlines as drawn)
3V3 on Top Layer "3V3_L01_P000" (solid, pour order 0): 33.7,17.425 33.85,17.425 38.55,17.425 38.55,14.775 33.7,14.775 33.7,17.25
GND on Int1 (GND) (split plane): 57.79,4.635 0.56,4.635 0.56,52.365 57.79,52.365
3V3 on Int2 (PWR) (split plane): 57.79,4.635 0.56,4.635 0.56,52.365 57.79,52.365

## Silkscreen, mask and mechanical layers (free items; w line width, h text height)
Top Overlay:
  text "BOOT" at 3.254,43.629 h1.52
  text "SWD" at 44.279,43.029 h1.52
  text "I2C" at 19.079,42.429 h1.52
  text "USB" at 52.954,39.429 h1.52
  text "RUN" at 3.129,33.229 h1.52
  text "POWER" at 50.129,25.154 h1.52
  text "STATUS" at 13.102,16.844 h0.76
  text "UART" at 18.554,13.654 h1.52
  text "UĞUR KELEŞ" at 5.55,13.475 h3 r90
  text "LED" at 43.304,7.704 h1.52
Bottom Overlay:
  text "inspired by phils lab" at 13.8,5.337 h1.52